# KiCad board FrontEnd_5G.kicad_pcb (continued)
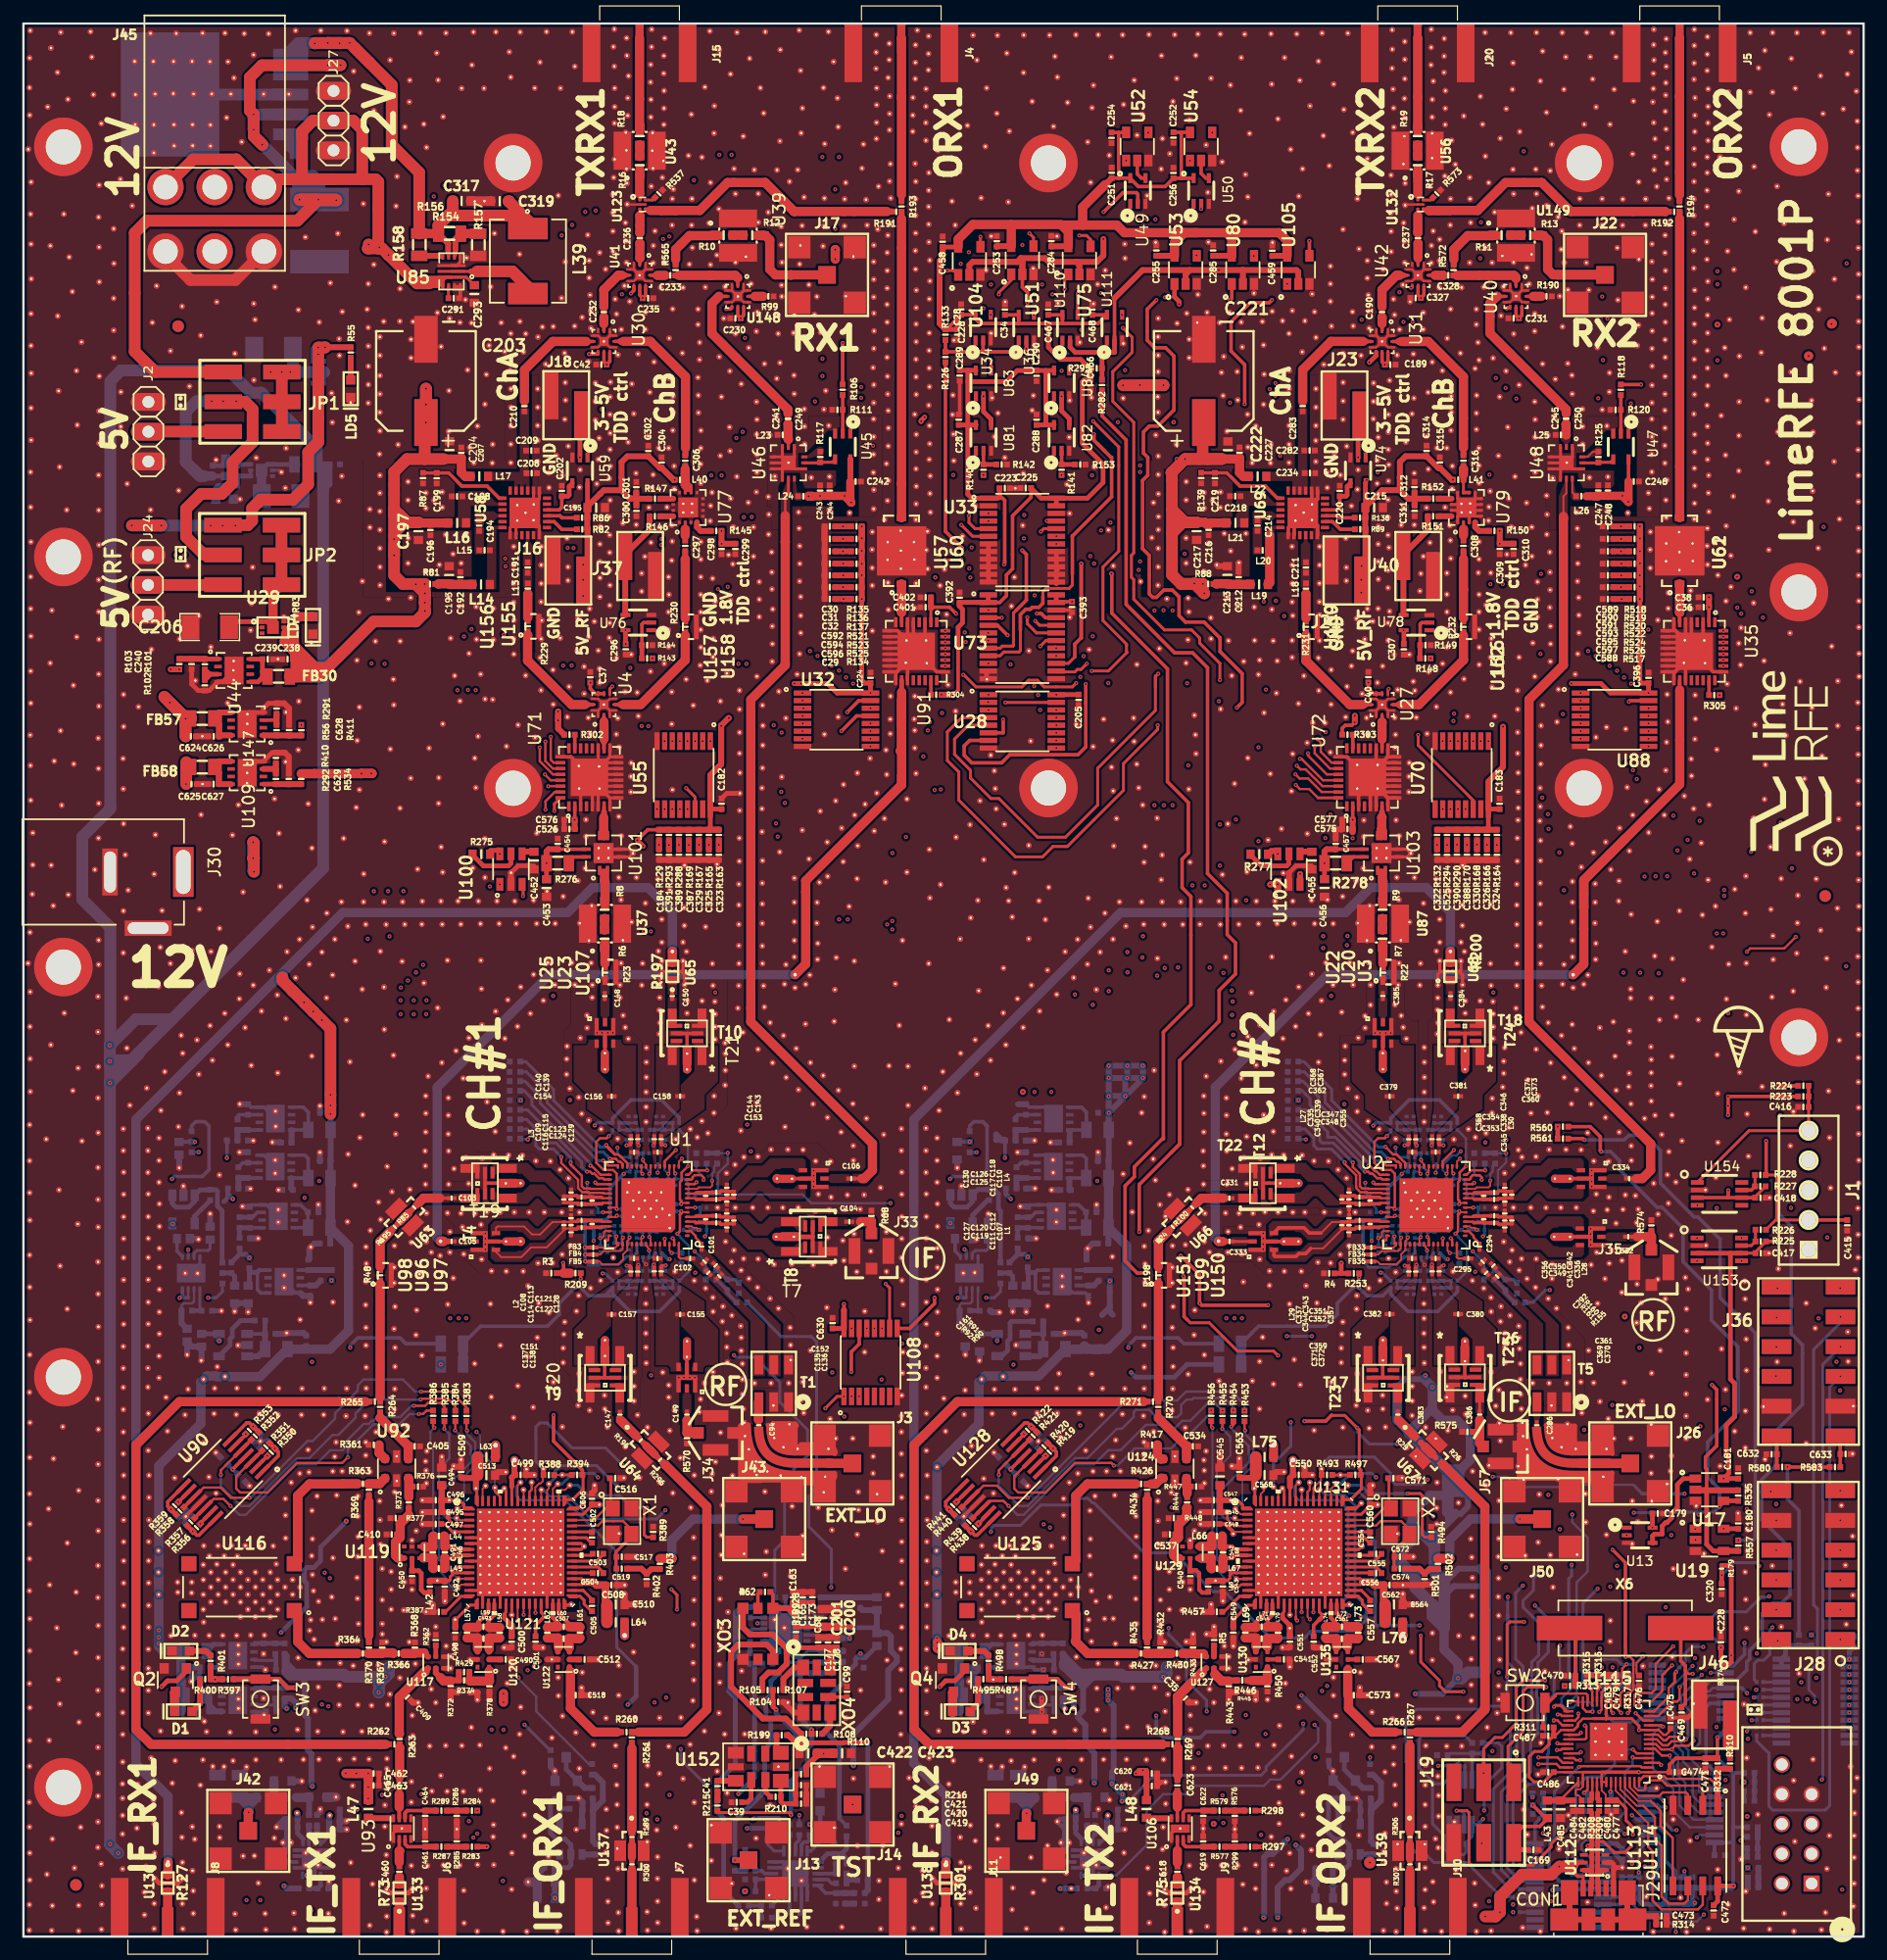
[diagram p0: board, top side]
## Placement (name value [footprint] x y rotation side) (continued)
GND_VIA#696  VAL**  [GND_VIA#3]  137.93 149.75 90 top
GND_VIA#697  VAL**  [GND_VIA#3]  70.12 145.98 90 top
GND_VIA#698  VAL**  [GND_VIA#3]  131.05 146.75 90 top
GND_VIA#699  VAL**  [GND_VIA#3]  129.2 148.73 90 top
GND_VIA#700  VAL**  [GND_VIA#3]  127.25 148.72 90 top
GND_VIA#701  VAL**  [GND_VIA#3]  125.62 147.16 90 top
GND_VIA#702  VAL**  [GND_VIA#3]  57.06 146.05 90 top
GND_VIA#703  VAL**  [GND_VIA#3]  55.39 146.05 90 top
GND_VIA#704  VAL**  [GND_VIA#3]  51.48 144.69 90 top
GND_VIA#705  VAL**  [GND_VIA#3]  50.34 143.8 90 top
GND_VIA#706  VAL**  [GND_VIA#3]  51.5 142.87 90 top
GND_VIA#707  VAL**  [GND_VIA#3]  51.41 146.25 90 top
GND_VIA#708  VAL**  [GND_VIA#3]  51.56 147.84 90 top
GND_VIA#709  VAL**  [GND_VIA#3]  51.53 149.63 90 top
GND_VIA#710  VAL**  [GND_VIA#3]  50.33 148.69 90 top
GND_VIA#711  VAL**  [GND_VIA#3]  50.33 147.12 90 top
GND_VIA#712  VAL**  [GND_VIA#3]  50.33 145.54 90 top
GND_VIA#713  VAL**  [GND_VIA#3]  57.94 151.85 90 top
GND_VIA#714  VAL**  [GND_VIA#3]  53.61 149.37 90 top
GND_VIA#715  VAL**  [GND_VIA#3]  60.8 142.88 90 top
GND_VIA#716  VAL**  [GND_VIA#3]  53.79 144.3 90 top
GND_VIA#717  VAL**  [GND_VIA#3]  53.78 142.82 90 top
GND_VIA#718  VAL**  [GND_VIA#3]  54.74 142.83 90 top
GND_VIA#719  VAL**  [GND_VIA#3]  56.87 142.72 90 top
GND_VIA#720  VAL**  [GND_VIA#3]  58.67 142.68 90 top
GND_VIA#721  VAL**  [GND_VIA#3]  53.93 145.55 90 top
GND_VIA#722  VAL**  [GND_VIA#3]  52.61 141.78 90 top
GND_VIA#723  VAL**  [GND_VIA#3]  56.33 140.72 90 top
GND_VIA#724  VAL**  [GND_VIA#3]  58.23 140.76 90 top
GND_VIA#725  VAL**  [GND_VIA#3]  59.91 140.81 90 top
GND_VIA#726  VAL**  [GND_VIA#3]  54.41 140.72 90 top
GND_VIA#727  VAL**  [GND_VIA#3]  61.01 139.97 90 top
GND_VIA#728  VAL**  [GND_VIA#3]  62.14 141.05 90 top
GND_VIA#729  VAL**  [GND_VIA#3]  51.77 139.54 90 top
GND_VIA#730  VAL**  [GND_VIA#3]  51.32 140.88 90 top
GND_VIA#731  VAL**  [GND_VIA#3]  62.67 138.63 90 top
GND_VIA#732  VAL**  [GND_VIA#3]  64.75 139.97 90 top
GND_VIA#733  VAL**  [GND_VIA#3]  59.8 138.09 90 top
GND_VIA#734  VAL**  [GND_VIA#3]  60.8 136.79 90 top
GND_VIA#735  VAL**  [GND_VIA#3]  62.59 136.99 90 top
GND_VIA#736  VAL**  [GND_VIA#3]  61.93 135.59 90 top
GND_VIA#737  VAL**  [GND_VIA#3]  49.71 142.29 90 top
GND_VIA#738  VAL**  [GND_VIA#3]  48.31 141.56 90 top
GND_VIA#739  VAL**  [GND_VIA#3]  48.39 140.1 90 top
GND_VIA#740  VAL**  [GND_VIA#3]  48.44 138.73 90 top
GND_VIA#741  VAL**  [GND_VIA#3]  48.45 137.25 90 top
GND_VIA#742  VAL**  [GND_VIA#3]  48.31 143.03 90 top
GND_VIA#743  VAL**  [GND_VIA#3]  50.53 139.74 90 top
GND_VIA#744  VAL**  [GND_VIA#3]  51.05 137.15 90 top
GND_VIA#745  VAL**  [GND_VIA#3]  49.56 136.13 90 top
GND_VIA#746  VAL**  [GND_VIA#3]  50.77 134.99 90 top
GND_VIA#747  VAL**  [GND_VIA#3]  48.25 134.42 90 top
GND_VIA#748  VAL**  [GND_VIA#3]  53.09 137.17 90 top
GND_VIA#749  VAL**  [GND_VIA#3]  55.14 136.41 90 top
GND_VIA#750  VAL**  [GND_VIA#3]  53.11 138.6 90 top
GND_VIA#751  VAL**  [GND_VIA#5]  50.65 138.41 90 top
GND_VIA#752  VAL**  [GND_VIA#3]  55.44 138.9 90 top
GND_VIA#753  VAL**  [GND_VIA#3]  57.75 136.05 90 top
GND_VIA#754  VAL**  [GND_VIA#3]  57.61 138.88 90 top
GND_VIA#755  VAL**  [GND_VIA#3]  57.61 137.57 90 top
GND_VIA#756  VAL**  [GND_VIA#3]  57.73 134.57 90 top
GND_VIA#757  VAL**  [GND_VIA#3]  57.6 133.05 90 top
GND_VIA#758  VAL**  [GND_VIA#3]  57.63 131.53 90 top
GND_VIA#759  VAL**  [GND_VIA#3]  57.64 130.05 90 top
GND_VIA#760  VAL**  [GND_VIA#3]  68.36 130.33 90 top
GND_VIA#761  VAL**  [GND_VIA#3]  68.77 128.95 90 top
GND_VIA#762  VAL**  [GND_VIA#3]  66.69 130.37 90 top
GND_VIA#763  VAL**  [GND_VIA#3]  66.69 128.88 90 top
GND_VIA#764  VAL**  [GND_VIA#3]  66.7 127.37 90 top
GND_VIA#765  VAL**  [GND_VIA#3]  67.28 124.5 90 top
GND_VIA#766  VAL**  [GND_VIA#3]  68.83 124.59 90 top
GND_VIA#767  VAL**  [GND_VIA#3]  68.81 121.72 90 top
GND_VIA#768  VAL**  [GND_VIA#3]  62.83 115.62 90 top
GND_VIA#769  VAL**  [GND_VIA#3]  62.83 114.12 90 top
GND_VIA#770  VAL**  [GND_VIA#3]  62.83 112.62 90 top
GND_VIA#771  VAL**  [GND_VIA#3]  62.64 124.97 90 top
GND_VIA#772  VAL**  [GND_VIA#3]  62.62 126.47 90 top
GND_VIA#773  VAL**  [GND_VIA#3]  62.61 128.2 90 top
GND_VIA#774  VAL**  [GND_VIA#3]  62.64 129.47 90 top
GND_VIA#775  VAL**  [GND_VIA#3]  63.89 118.15 90 top
GND_VIA#776  VAL**  [GND_VIA#3]  63.98 113.28 90 top
GND_VIA#777  VAL**  [GND_VIA#3]  63.92 114.99 90 top
GND_VIA#778  VAL**  [GND_VIA#3]  63.91 116.44 90 top
GND_VIA#779  VAL**  [GND_VIA#3]  63.94 111.83 90 top
GND_VIA#780  VAL**  [GND_VIA#3]  63.95 110.31 90 top
GND_VIA#781  VAL**  [GND_VIA#3]  63.94 108.81 90 top
GND_VIA#782  VAL**  [GND_VIA#3]  63.63 119.66 90 top
GND_VIA#783  VAL**  [GND_VIA#3]  64.16 124.61 90 top
GND_VIA#784  VAL**  [GND_VIA#3]  63.66 121.37 90 top
GND_VIA#785  VAL**  [GND_VIA#3]  63.61 122.88 90 top
GND_VIA#786  VAL**  [GND_VIA#3]  65.33 125.78 90 top
GND_VIA#787  VAL**  [GND_VIA#3]  66.23 120.18 90 top
GND_VIA#788  VAL**  [GND_VIA#3]  66.28 118.68 90 top
GND_VIA#789  VAL**  [GND_VIA#3]  66.3 117.17 90 top
GND_VIA#790  VAL**  [GND_VIA#3]  66.28 115.67 90 top
GND_VIA#791  VAL**  [GND_VIA#3]  66.38 111.25 90 top
GND_VIA#792  VAL**  [GND_VIA#3]  66.37 114.34 90 top
GND_VIA#793  VAL**  [GND_VIA#3]  66.28 109.47 90 top
GND_VIA#794  VAL**  [GND_VIA#3]  66.07 107.72 90 top
GND_VIA#795  VAL**  [GND_VIA#3]  62.63 107.54 90 top
GND_VIA#796  VAL**  [GND_VIA#3]  61.15 106.35 90 top
GND_VIA#797  VAL**  [GND_VIA#3]  66.19 121.56 90 top
GND_VIA#798  VAL**  [GND_VIA#3]  66.37 112.73 90 top
GND_VIA#799  VAL**  [GND_VIA#3]  60.39 122.73 90 top
GND_VIA#800  VAL**  [GND_VIA#3]  59.61 131.41 90 top
GND_VIA#801  VAL**  [GND_VIA#3]  59.5 126.38 90 top
GND_VIA#802  VAL**  [GND_VIA#3]  60.92 124.59 90 top
GND_VIA#803  VAL**  [GND_VIA#3]  60.3 128.81 90 top
GND_VIA#804  VAL**  [GND_VIA#3]  60.61 120.3 90 top
GND_VIA#805  VAL**  [GND_VIA#3]  58.8 123.24 90 top
GND_VIA#806  VAL**  [GND_VIA#3]  58.68 122.11 90 top
GND_VIA#807  VAL**  [GND_VIA#3]  58.65 120.81 90 top
GND_VIA#808  VAL**  [GND_VIA#3]  61.89 122.39 90 top
GND_VIA#809  VAL**  [GND_VIA#3]  64.33 132.96 90 top
GND_VIA#810  VAL**  [GND_VIA#3]  63.28 134.22 90 top
GND_VIA#811  VAL**  [GND_VIA#3]  65.82 131.66 90 top
GND_VIA#812  VAL**  [GND_VIA#3]  59.42 134.82 90 top
GND_VIA#813  VAL**  [GND_VIA#3]  60.32 133.6 90 top
GND_VIA#814  VAL**  [GND_VIA#3]  61.3 132.5 90 top
GND_VIA#815  VAL**  [GND_VIA#3]  62.6 130.98 90 top
GND_VIA#816  VAL**  [GND_VIA#3]  64.28 129.64 90 top
GND_VIA#817  VAL**  [GND_VIA#3]  63.73 128.14 90 top
GND_VIA#818  VAL**  [GND_VIA#3]  56.27 135.13 90 top
GND_VIA#819  VAL**  [GND_VIA#3]  49.16 127.88 270 top
GND_VIA#820  VAL**  [GND_VIA#3]  49.09 126.07 270 top
GND_VIA#821  VAL**  [GND_VIA#3]  48.96 123.98 270 top
GND_VIA#822  VAL**  [GND_VIA#3]  50.13 125.48 90 top
GND_VIA#823  VAL**  [GND_VIA#3]  50.09 126.91 90 top
GND_VIA#824  VAL**  [GND_VIA#3]  50.11 128.3 90 top
GND_VIA#825  VAL**  [GND_VIA#3]  50.09 129.9 90 top
GND_VIA#826  VAL**  [GND_VIA#3]  50.09 131.4 90 top
GND_VIA#827  VAL**  [GND_VIA#3]  50.13 132.66 90 top
GND_VIA#828  VAL**  [GND_VIA#3]  50.04 124.42 90 top
GND_VIA#829  VAL**  [GND_VIA#3]  48.84 129.42 270 top
GND_VIA#830  VAL**  [GND_VIA#3]  48.83 131.01 270 top
GND_VIA#831  VAL**  [GND_VIA#3]  48.84 132.58 270 top
GND_VIA#832  VAL**  [GND_VIA#3]  53.49 131.79 90 top
GND_VIA#833  VAL**  [GND_VIA#3]  52.48 135.07 90 top
GND_VIA#834  VAL**  [GND_VIA#3]  53.85 134.38 90 top
GND_VIA#835  VAL**  [GND_VIA#3]  52.12 129.96 90 top
GND_VIA#836  VAL**  [GND_VIA#3]  53.34 128.05 90 top
GND_VIA#837  VAL**  [GND_VIA#3]  51.95 132.5 90 top
GND_VIA#838  VAL**  [GND_VIA#3]  55.56 125.5 90 top
GND_VIA#839  VAL**  [GND_VIA#3]  55.13 133 90 top
GND_VIA#840  VAL**  [GND_VIA#3]  55.47 131.45 90 top
GND_VIA#841  VAL**  [GND_VIA#3]  55.45 128.54 90 top
GND_VIA#842  VAL**  [GND_VIA#3]  55.49 130.08 90 top
GND_VIA#843  VAL**  [GND_VIA#3]  52.05 92.46 90 top
GND_VIA#844  VAL**  [GND_VIA#3]  47.97 91.16 90 top
GND_VIA#845  VAL**  [GND_VIA#3]  48.03 93.88 90 top
GND_VIA#846  VAL**  [GND_VIA#3]  50.84 90.38 90 top
GND_VIA#847  VAL**  [GND_VIA#3]  51.06 93.93 90 top
GND_VIA#848  VAL**  [GND_VIA#3]  49.11 92.04 90 top
GND_VIA#849  VAL**  [GND_VIA#3]  49.95 92.05 90 top
GND_VIA#850  VAL**  [GND_VIA#3]  49.97 92.9 90 top
GND_VIA#851  VAL**  [GND_VIA#3]  49.12 92.89 90 top
GND_VIA#852  VAL**  [GND_VIA#3]  46.45 104.08 90 top
GND_VIA#853  VAL**  [GND_VIA#3]  48.23 104.02 90 top
GND_VIA#854  VAL**  [GND_VIA#3]  52.51 104.16 90 top
GND_VIA#855  VAL**  [GND_VIA#3]  50.75 103.97 90 top
GND_VIA#856  VAL**  [GND_VIA#3]  45.45 94.48 90 top
GND_VIA#857  VAL**  [GND_VIA#3]  50.87 101.51 90 top
GND_VIA#858  VAL**  [GND_VIA#3]  55.58 123.54 90 top
GND_VIA#859  VAL**  [GND_VIA#3]  53.41 121.96 90 top
GND_VIA#860  VAL**  [GND_VIA#3]  51.42 121.91 90 top
GND_VIA#861  VAL**  [GND_VIA#3]  49.19 107 90 top
GND_VIA#862  VAL**  [GND_VIA#3]  49.24 115.96 90 top
GND_VIA#863  VAL**  [GND_VIA#3]  49.22 114.34 90 top
GND_VIA#864  VAL**  [GND_VIA#3]  49.18 108.2 90 top
GND_VIA#865  VAL**  [GND_VIA#3]  49.09 109.75 90 top
GND_VIA#866  VAL**  [GND_VIA#3]  49.22 117.34 90 top
GND_VIA#867  VAL**  [GND_VIA#3]  49.22 118.84 90 top
GND_VIA#868  VAL**  [GND_VIA#3]  50.06 119.61 90 top
GND_VIA#869  VAL**  [GND_VIA#3]  50.06 118.12 90 top
GND_VIA#870  VAL**  [GND_VIA#3]  50.08 116.61 90 top
GND_VIA#871  VAL**  [GND_VIA#3]  50.09 115.32 90 top
GND_VIA#872  VAL**  [GND_VIA#3]  50.06 113.61 90 top
GND_VIA#873  VAL**  [GND_VIA#3]  50.06 112.11 90 top
GND_VIA#874  VAL**  [GND_VIA#3]  50.03 110.84 90 top
GND_VIA#875  VAL**  [GND_VIA#3]  50.64 109.11 90 top
GND_VIA#876  VAL**  [GND_VIA#3]  55.09 110.06 90 top
GND_VIA#877  VAL**  [GND_VIA#3]  55.06 111.51 90 top
GND_VIA#878  VAL**  [GND_VIA#3]  55.08 113.04 90 top
GND_VIA#879  VAL**  [GND_VIA#3]  55.12 114.53 90 top
GND_VIA#880  VAL**  [GND_VIA#3]  52.79 114.8 90 top
GND_VIA#881  VAL**  [GND_VIA#3]  52.79 116.34 90 top
GND_VIA#882  VAL**  [GND_VIA#3]  51.9 109.42 90 top
GND_VIA#883  VAL**  [GND_VIA#3]  58.85 115.9 90 top
GND_VIA#884  VAL**  [GND_VIA#3]  58.89 109.2 90 top
GND_VIA#885  VAL**  [GND_VIA#3]  58.89 110.77 90 top
GND_VIA#886  VAL**  [GND_VIA#3]  59.08 113.92 90 top
GND_VIA#887  VAL**  [GND_VIA#3]  57.79 108.49 90 top
GND_VIA#888  VAL**  [GND_VIA#3]  57.84 110.03 90 top
GND_VIA#889  VAL**  [GND_VIA#3]  57.83 111.53 90 top
GND_VIA#890  VAL**  [GND_VIA#3]  57.83 113.03 90 top
GND_VIA#891  VAL**  [GND_VIA#3]  57.83 114.53 90 top
GND_VIA#892  VAL**  [GND_VIA#3]  54.72 108.63 90 top
GND_VIA#893  VAL**  [GND_VIA#3]  53.55 107.97 90 top
GND_VIA#894  VAL**  [GND_VIA#3]  52.41 106.17 90 top
GND_VIA#895  VAL**  [GND_VIA#3]  54.16 104.94 90 top
GND_VIA#896  VAL**  [GND_VIA#3]  56.59 107.29 90 top
GND_VIA#897  VAL**  [GND_VIA#3]  55.36 106.22 90 top
GND_VIA#898  VAL**  [GND_VIA#3]  51.38 106.24 90 top
GND_VIA#899  VAL**  [GND_VIA#3]  44.13 109.13 90 top
GND_VIA#900  VAL**  [GND_VIA#3]  47.88 106.07 90 top
GND_VIA#901  VAL**  [GND_VIA#3]  42.88 107.62 90 top
GND_VIA#902  VAL**  [GND_VIA#3]  44.2 106.36 90 top
GND_VIA#903  VAL**  [GND_VIA#3]  45.24 105.15 90 top
GND_VIA#904  VAL**  [GND_VIA#3]  45.84 110.81 90 top
GND_VIA#905  VAL**  [GND_VIA#3]  46.59 106.67 90 top
GND_VIA#906  VAL**  [GND_VIA#3]  45.22 108.1 90 top
GND_VIA#907  VAL**  [GND_VIA#3]  36.69 117.99 90 top
GND_VIA#908  VAL**  [GND_VIA#3]  34.73 118.89 90 top
GND_VIA#909  VAL**  [GND_VIA#3]  35.52 117.07 90 top
GND_VIA#910  VAL**  [GND_VIA#3]  37.38 117.2 90 top
GND_VIA#911  VAL**  [GND_VIA#3]  34.34 116.5 90 top
GND_VIA#912  VAL**  [GND_VIA#3]  44.21 110.75 90 top
GND_VIA#913  VAL**  [GND_VIA#3]  44.26 112.32 90 top
GND_VIA#914  VAL**  [GND_VIA#3]  44.2 113.91 90 top
GND_VIA#915  VAL**  [GND_VIA#3]  41.88 109.44 90 top
GND_VIA#916  VAL**  [GND_VIA#3]  46.5 115.73 90 top
GND_VIA#917  VAL**  [GND_VIA#3]  46.5 116.88 90 top
GND_VIA#918  VAL**  [GND_VIA#3]  41.88 112.34 90 top
GND_VIA#919  VAL**  [GND_VIA#3]  41.86 110.75 90 top
GND_VIA#920  VAL**  [GND_VIA#3]  41.86 113.86 90 top
GND_VIA#921  VAL**  [GND_VIA#3]  46.42 119.34 90 top
GND_VIA#922  VAL**  [GND_VIA#3]  44.99 112.55 90 top
GND_VIA#923  VAL**  [GND_VIA#3]  29.58 121.81 90 top
GND_VIA#924  VAL**  [GND_VIA#3]  29.59 120.26 90 top
GND_VIA#925  VAL**  [GND_VIA#3]  45.5 126.38 90 top
GND_VIA#926  VAL**  [GND_VIA#3]  46.53 127.19 90 top
GND_VIA#927  VAL**  [GND_VIA#3]  46.23 129.48 90 top
GND_VIA#928  VAL**  [GND_VIA#3]  43.94 136.51 270 top
GND_VIA#929  VAL**  [GND_VIA#3]  47.07 137.44 270 top
GND_VIA#930  VAL**  [GND_VIA#3]  46.29 131.12 270 top
GND_VIA#931  VAL**  [GND_VIA#3]  45.24 137.4 90 top
GND_VIA#932  VAL**  [GND_VIA#3]  46.21 135.14 90 top
GND_VIA#933  VAL**  [GND_VIA#3]  46.27 132.62 90 top
GND_VIA#934  VAL**  [GND_VIA#3]  44.59 134.19 90 top
GND_VIA#935  VAL**  [GND_VIA#3]  41.56 133.66 90 top
GND_VIA#936  VAL**  [GND_VIA#3]  42.7 135.23 270 top
GND_VIA#937  VAL**  [GND_VIA#3]  43.58 122.22 90 top
GND_VIA#938  VAL**  [GND_VIA#3]  31.17 114.16 90 top
GND_VIA#939  VAL**  [GND_VIA#3]  33.07 114.26 90 top
GND_VIA#940  VAL**  [GND_VIA#3]  40.13 113.34 90 top
GND_VIA#941  VAL**  [GND_VIA#3]  38.69 110.7 90 top
GND_VIA#942  VAL**  [GND_VIA#3]  38.66 113.49 90 top
GND_VIA#943  VAL**  [GND_VIA#3]  36.3 114.32 90 top
GND_VIA#944  VAL**  [GND_VIA#3]  37.25 113.54 90 top
GND_VIA#945  VAL**  [GND_VIA#3]  36.48 110.8 90 top
GND_VIA#946  VAL**  [GND_VIA#3]  40.13 110.66 90 top
GND_VIA#947  VAL**  [GND_VIA#3]  42.39 137.84 90 top
GND_VIA#948  VAL**  [GND_VIA#3]  37.28 137.75 90 top
GND_VIA#949  VAL**  [GND_VIA#3]  38.27 137.71 90 top
GND_VIA#950  VAL**  [GND_VIA#3]  40.8 137.73 90 top
GND_VIA#951  VAL**  [GND_VIA#3]  36.39 138.07 90 top
GND_VIA#952  VAL**  [GND_VIA#3]  32.14 137.85 90 top
GND_VIA#953  VAL**  [GND_VIA#3]  25.26 137.77 90 top
GND_VIA#954  VAL**  [GND_VIA#3]  35.35 138.58 90 top
GND_VIA#955  VAL**  [GND_VIA#3]  49.21 143.7 90 top
GND_VIA#956  VAL**  [GND_VIA#3]  44.31 137.37 90 top
GND_VIA#957  VAL**  [GND_VIA#3]  30.44 133.22 90 top
GND_VIA#958  VAL**  [GND_VIA#3]  30.44 128.5 90 top
GND_VIA#959  VAL**  [GND_VIA#3]  30.44 130.08 90 top
GND_VIA#960  VAL**  [GND_VIA#3]  30.44 131.65 90 top
GND_VIA#961  VAL**  [GND_VIA#3]  30.44 136.52 90 top
GND_VIA#962  VAL**  [GND_VIA#3]  30.44 134.94 90 top
GND_VIA#963  VAL**  [GND_VIA#3]  32 127.33 90 top
GND_VIA#964  VAL**  [GND_VIA#3]  33.09 136.31 90 top
GND_VIA#965  VAL**  [GND_VIA#3]  33.09 134.73 90 top
GND_VIA#966  VAL**  [GND_VIA#3]  33.27 137.82 90 top
GND_VIA#967  VAL**  [GND_VIA#3]  38.77 128.91 90 top
GND_VIA#968  VAL**  [GND_VIA#3]  38.46 125.77 90 top
GND_VIA#969  VAL**  [GND_VIA#3]  40.03 125.75 90 top
GND_VIA#970  VAL**  [GND_VIA#3]  40.07 127.35 90 top
GND_VIA#971  VAL**  [GND_VIA#3]  38.11 127.08 90 top
GND_VIA#972  VAL**  [GND_VIA#3]  47.34 112.48 90 top
GND_VIA#973  VAL**  [GND_VIA#3]  48.35 113.31 90 top
GND_VIA#974  VAL**  [GND_VIA#3]  48.75 112.23 90 top
GND_VIA#975  VAL**  [GND_VIA#3]  48.28 110.91 90 top
GND_VIA#976  VAL**  [GND_VIA#3]  47.88 108.38 90 top
GND_VIA#977  VAL**  [GND_VIA#3]  39.77 135.79 90 top
GND_VIA#978  VAL**  [GND_VIA#3]  41.62 136.81 90 top
GND_VIA#979  VAL**  [GND_VIA#3]  61.15 104.73 90 top
GND_VIA#980  VAL**  [GND_VIA#3]  72.85 154.81 90 top
GND_VIA#981  VAL**  [GND_VIA#3]  72.86 156.31 90 top
GND_VIA#982  VAL**  [GND_VIA#3]  72.83 153.43 90 top
GND_VIA#983  VAL**  [GND_VIA#3]  73.95 154.18 90 top
GND_VIA#984  VAL**  [GND_VIA#3]  73.98 157.06 90 top
GND_VIA#985  VAL**  [GND_VIA#3]  73.96 155.56 90 top
GND_VIA#986  VAL**  [GND_VIA#3]  77.07 156.19 90 top
GND_VIA#987  VAL**  [GND_VIA#3]  77.08 157.69 90 top
GND_VIA#988  VAL**  [GND_VIA#3]  77.07 153.29 90 top
GND_VIA#989  VAL**  [GND_VIA#3]  77.05 154.8 90 top
GND_VIA#990  VAL**  [GND_VIA#3]  75.93 154.05 90 top
GND_VIA#991  VAL**  [GND_VIA#3]  75.95 156.94 90 top
GND_VIA#992  VAL**  [GND_VIA#3]  75.95 155.44 90 top
GND_VIA#993  VAL**  [GND_VIA#3]  72.86 157.75 90 top
GND_VIA#994  VAL**  [GND_VIA#3]  50.48 156.16 90 top
GND_VIA#995  VAL**  [GND_VIA#3]  58.19 157.84 90 top
GND_VIA#996  VAL**  [GND_VIA#6]  46.44 153.96 90 top
GND_VIA#997  VAL**  [GND_VIA#6]  46.49 152.44 90 top
GND_VIA#998  VAL**  [GND_VIA#6]  46.61 156.91 90 top
GND_VIA#999  VAL**  [GND_VIA#6]  46.59 155.41 90 top
GND_VIA#1000  VAL**  [GND_VIA#6]  46.49 150.87 90 top
GND_VIA#1001  VAL**  [GND_VIA#3]  50.41 150.12 90 top
GND_VIA#1002  VAL**  [GND_VIA#3]  50.48 151.68 90 top
GND_VIA#1003  VAL**  [GND_VIA#3]  54.69 156.03 90 top
GND_VIA#1004  VAL**  [GND_VIA#3]  54.7 157.53 90 top
GND_VIA#1005  VAL**  [GND_VIA#6]  49.56 150.12 90 top
GND_VIA#1006  VAL**  [GND_VIA#6]  49.64 151.54 90 top
GND_VIA#1007  VAL**  [GND_VIA#6]  51.79 151.99 90 top
GND_VIA#1008  VAL**  [GND_VIA#3]  54.69 154.63 90 top
GND_VIA#1009  VAL**  [GND_VIA#3]  53.72 153.93 90 top
GND_VIA#1010  VAL**  [GND_VIA#6]  48.76 150.91 90 top
GND_VIA#1011  VAL**  [GND_VIA#3]  53.58 156.78 90 top
GND_VIA#1012  VAL**  [GND_VIA#3]  53.58 155.28 90 top
GND_VIA#1013  VAL**  [GND_VIA#6]  76.78 148.38 90 top
GND_VIA#1014  VAL**  [GND_VIA#6]  74.57 146.06 90 top
GND_VIA#1015  VAL**  [GND_VIA#3]  66.36 159.25 90 top
GND_VIA#1016  VAL**  [GND_VIA#3]  29.45 135.74 90 top
GND_VIA#1017  VAL**  [GND_VIA#3]  29.44 137.31 90 top
GND_VIA#1018  VAL**  [GND_VIA#3]  29.35 138.87 90 top
GND_VIA#1019  VAL**  [GND_VIA#3]  29.45 132.45 90 top
GND_VIA#1020  VAL**  [GND_VIA#3]  29.44 130.88 90 top
GND_VIA#1021  VAL**  [GND_VIA#3]  29.45 134.02 90 top
GND_VIA#1022  VAL**  [GND_VIA#3]  23.48 138.82 90 top
GND_VIA#1023  VAL**  [GND_VIA#3]  29.45 141.05 90 top
GND_VIA#1024  VAL**  [GND_VIA#3]  36.93 138.91 90 top
GND_VIA#1025  VAL**  [GND_VIA#3]  27.23 138.67 90 top
GND_VIA#1026  VAL**  [GND_VIA#3]  42.89 136.78 90 top
GND_VIA#1027  VAL**  [GND_VIA#3]  41.1 135.27 90 top
GND_VIA#1028  VAL**  [GND_VIA#3]  47.71 138.19 90 top
GND_VIA#1029  VAL**  [GND_VIA#3]  30.76 137.83 90 top
GND_VIA#1030  VAL**  [GND_VIA#3]  39.04 107.73 90 top
GND_VIA#1031  VAL**  [GND_VIA#3]  39.42 105.61 90 top
GND_VIA#1032  VAL**  [GND_VIA#3]  47.36 90.1 90 top
GND_VIA#1033  VAL**  [GND_VIA#3]  38.37 91.19 90 top
GND_VIA#1034  VAL**  [GND_VIA#3]  39.41 90.38 90 top
GND_VIA#1035  VAL**  [GND_VIA#3]  41.96 88.36 90 top
GND_VIA#1036  VAL**  [GND_VIA#3]  40.07 105.56 90 top
GND_VIA#1037  VAL**  [GND_VIA#3]  38.05 109.5 90 top
GND_VIA#1038  VAL**  [GND_VIA#3]  47.29 109.71 90 top
GND_VIA#1039  VAL**  [GND_VIA#3]  139.47 149.35 90 top
GND_VIA#1040  VAL**  [GND_VIA#3]  139.29 151.9 90 top
GND_VIA#1041  VAL**  [GND_VIA#3]  139.25 150.77 90 top
GND_VIA#1042  VAL**  [GND_VIA#3]  46.09 88.76 90 top
GND_VIA#1043  VAL**  [GND_VIA#3]  36.82 107.6 90 top
GND_VIA#1044  VAL**  [GND_VIA#3]  28.94 115.66 90 top
GND_VIA#1045  VAL**  [GND_VIA#3]  51.9 100.17 90 top
GND_VIA#1046  VAL**  [GND_VIA#3]  99.34 138.53 90 top
GND_VIA#1047  VAL**  [GND_VIA#3]  57.2 105.07 90 top
GND_VIA#1048  VAL**  [GND_VIA#3]  60.37 114.03 90 top
GND_VIA#1049  VAL**  [GND_VIA#3]  64.5 106.26 90 top
GND_VIA#1050  VAL**  [GND_VIA#3]  51.87 97.68 90 top
GND_VIA#1051  VAL**  [GND_VIA#3]  96.9 116.89 90 top
GND_VIA#1052  VAL**  [GND_VIA#3]  73.82 115.54 90 top
GND_VIA#1053  VAL**  [GND_VIA#3]  65.82 138.42 90 top
GND_VIA#1054  VAL**  [GND_VIA#3]  65.76 136.86 90 top
GND_VIA#1055  VAL**  [GND_VIA#3]  67.75 139.96 90 top
GND_VIA#1056  VAL**  [GND_VIA#3]  66.35 144.32 90 top
GND_VIA#1057  VAL**  [GND_VIA#3]  64.71 144.37 90 top
GND_VIA#1058  VAL**  [GND_VIA#3]  68.28 144.26 90 top
GND_VIA#1059  VAL**  [GND_VIA#3]  67.55 138.42 90 top
GND_VIA#1060  VAL**  [GND_VIA#3]  68.08 136.91 90 top
GND_VIA#1061  VAL**  [GND_VIA#3]  64.44 138.35 90 top
GND_VIA#1062  VAL**  [GND_VIA#3]  64.45 136.79 90 top
GND_VIA#1063  VAL**  [GND_VIA#3]  70.23 139.99 90 top
GND_VIA#1064  VAL**  [GND_VIA#3]  65.8 133.24 90 top
GND_VIA#1065  VAL**  [GND_VIA#3]  117.02 154.41 90 top
GND_VIA#1066  VAL**  [GND_VIA#3]  64.6 134.31 90 top
GND_VIA#1067  VAL**  [GND_VIA#3]  48.58 81.21 90 top
GND_VIA#1068  VAL**  [GND_VIA#3]  51.87 99 90 top
GND_VIA#1069  VAL**  [GND_VIA#3]  59.52 105.43 90 top
GND_VIA#1070  VAL**  [GND_VIA#3]  58.4 107.19 90 top
GND_VIA#1071  VAL**  [GND_VIA#3]  95.08 108.56 90 top
GND_VIA#1072  VAL**  [GND_VIA#3]  108.87 105.23 90 top
GND_VIA#1073  VAL**  [GND_VIA#3]  106.99 106.12 90 top
GND_VIA#1074  VAL**  [GND_VIA#3]  120.93 144.84 90 top
GND_VIA#1075  VAL**  [GND_VIA#3]  124.86 144.15 90 top
GND_VIA#1076  VAL**  [GND_VIA#3]  126.28 143.43 90 top
GND_VIA#1077  VAL**  [GND_VIA#3]  73.02 149.36 90 top
GND_VIA#1078  VAL**  [GND_VIA#3]  59.39 147.44 90 top
GND_VIA#1079  VAL**  [GND_VIA#3]  60.8 148.73 90 top
GND_VIA#1080  VAL**  [GND_VIA#3]  62.75 148.74 90 top
GND_VIA#1081  VAL**  [GND_VIA#3]  63.6 147.15 90 top
GND_VIA#1082  VAL**  [GND_VIA#3]  70.22 149.68 90 top
GND_VIA#1083  VAL**  [GND_VIA#3]  68.4 148.35 90 top
GND_VIA#1084  VAL**  [GND_VIA#3]  70.12 148.28 90 top
GND_VIA#1085  VAL**  [GND_VIA#3]  58.67 149.69 90 top
GND_VIA#1086  VAL**  [GND_VIA#3]  57.08 148.3 90 top
GND_VIA#1087  VAL**  [GND_VIA#3]  55.5 149.12 90 top
GND_VIA#1088  VAL**  [GND_VIA#3]  57.08 148.31 90 top
GND_VIA#1089  VAL**  [GND_VIA#3]  71.95 148.23 90 top
GND_VIA#1090  VAL**  [GND_VIA#3]  66.66 148.44 90 top
GND_VIA#1091  VAL**  [GND_VIA#3]  73.96 149.8 90 top
GND_VIA#1092  VAL**  [GND_VIA#3]  59.21 143.5 90 top
GND_VIA#1093  VAL**  [GND_VIA#3]  57.12 144.13 90 top
GND_VIA#1094  VAL**  [GND_VIA#3]  58.54 146.23 90 top
GND_VIA#1095  VAL**  [GND_VIA#3]  66.12 150.78 90 top
GND_VIA#1096  VAL**  [GND_VIA#3]  65.42 149.77 90 top
GND_VIA#1097  VAL**  [GND_VIA#3]  64.35 150.76 90 top
GND_VIA#1098  VAL**  [GND_VIA#3]  62.41 150.78 90 top
GND_VIA#1099  VAL**  [GND_VIA#3]  60.68 150.87 90 top
GND_VIA#1100  VAL**  [GND_VIA#3]  66.49 146.01 90 top
GND_VIA#1101  VAL**  [GND_VIA#3]  64.71 145.93 90 top
GND_VIA#1102  VAL**  [GND_VIA#3]  68.38 145.97 90 top
GND_VIA#1103  VAL**  [GND_VIA#3]  62.75 146.29 90 top
GND_VIA#1104  VAL**  [GND_VIA#3]  131.88 140.53 90 top
GND_VIA#1105  VAL**  [GND_VIA#3]  128.39 142.42 90 top
GND_VIA#1106  VAL**  [GND_VIA#3]  133.67 140.52 90 top
GND_VIA#1107  VAL**  [GND_VIA#3]  133.46 142.85 90 top
GND_VIA#1108  VAL**  [GND_VIA#3]  131.57 142.86 90 top
GND_VIA#1109  VAL**  [GND_VIA#3]  131.31 143.98 90 top
GND_VIA#1110  VAL**  [GND_VIA#3]  67.07 140.97 90 top
GND_VIA#1111  VAL**  [GND_VIA#3]  64.74 140.93 90 top
GND_VIA#1112  VAL**  [GND_VIA#3]  64.77 142.88 90 top
GND_VIA#1113  VAL**  [GND_VIA#3]  66.28 142.73 90 top
GND_VIA#1114  VAL**  [GND_VIA#3]  61.69 143.36 90 top
GND_VIA#1115  VAL**  [GND_VIA#3]  128.78 143.56 90 top
GND_VIA#1116  VAL**  [GND_VIA#3]  128.84 147.49 90 top
GND_VIA#1117  VAL**  [GND_VIA#3]  112.68 145.69 90 top
GND_VIA#1118  VAL**  [GND_VIA#3]  113.49 138.66 90 top
GND_VIA#1119  VAL**  [GND_VIA#3]  123.5 150.13 90 top
GND_VIA#1120  VAL**  [GND_VIA#3]  116.95 157.66 90 top
GND_VIA#1121  VAL**  [GND_VIA#3]  135.18 103.21 90 top
GND_VIA#1122  VAL**  [GND_VIA#3]  136.94 98.08 90 top
GND_VIA#1123  VAL**  [GND_VIA#3]  136.82 103.06 90 top
GND_VIA#1124  VAL**  [GND_VIA#3]  130.95 103.66 90 top
GND_VIA#1125  VAL**  [GND_VIA#3]  126.68 117.96 90 top
GND_VIA#1126  VAL**  [GND_VIA#3]  142.41 100.5 90 top
GND_VIA#1127  VAL**  [GND_VIA#3]  138.93 119.88 90 top
GND_VIA#1128  VAL**  [GND_VIA#3]  138.91 118.36 90 top
GND_VIA#1129  VAL**  [GND_VIA#3]  142.44 99.06 90 top
GND_VIA#1130  VAL**  [GND_VIA#3]  139.56 112.35 90 top
GND_VIA#1131  VAL**  [GND_VIA#3]  118.34 109.41 90 top
GND_VIA#1132  VAL**  [GND_VIA#3]  138.84 121.87 90 top
GND_VIA#1133  VAL**  [GND_VIA#3]  137 121.5 90 top
GND_VIA#1134  VAL**  [GND_VIA#3]  138.92 116.79 90 top
GND_VIA#1135  VAL**  [GND_VIA#3]  62.93 157.77 90 top
GND_VIA#1136  VAL**  [GND_VIA#3]  69.57 154.44 90 top
GND_VIA#1137  VAL**  [GND_VIA#3]  69.51 156.9 90 top
GND_VIA#1138  VAL**  [GND_VIA#3]  32.58 154.44 90 top
GND_VIA#1139  VAL**  [GND_VIA#3]  61.47 153.64 90 top
GND_VIA#1140  VAL**  [GND_VIA#3]  64.6 153.23 90 top
GND_VIA#1141  VAL**  [GND_VIA#3]  68.42 152.99 90 top
GND_VIA#1142  VAL**  [GND_VIA#3]  63.21 155.61 90 top
GND_VIA#1143  VAL**  [GND_VIA#3]  66.52 156.04 90 top
GND_VIA#1144  VAL**  [GND_VIA#3]  68.32 157.78 90 top
GND_VIA#1145  VAL**  [GND_VIA#3]  71.61 150.91 90 top
GND_VIA#1146  VAL**  [GND_VIA#3]  66.41 153.92 90 top
GND_VIA#1147  VAL**  [GND_VIA#3]  59 156.23 90 top
GND_VIA#1148  VAL**  [GND_VIA#3]  58.97 153.9 90 top
GND_VIA#1149  VAL**  [GND_VIA#3]  144.97 129.8 90 top
GND_VIA#1150  VAL**  [GND_VIA#3]  146.5 130.99 90 top
GND_VIA#1151  VAL**  [GND_VIA#3]  146.48 125.09 90 top
GND_VIA#1152  VAL**  [GND_VIA#3]  145.34 126.43 90 top
GND_VIA#1153  VAL**  [GND_VIA#3]  146.49 128.09 90 top
GND_VIA#1154  VAL**  [GND_VIA#3]  145.48 106.9 90 top
GND_VIA#1155  VAL**  [GND_VIA#3]  142.75 105.95 90 top
GND_VIA#1156  VAL**  [GND_VIA#3]  146.62 108.53 90 top
GND_VIA#1157  VAL**  [GND_VIA#3]  145.38 113.97 90 top
GND_VIA#1158  VAL**  [GND_VIA#3]  146.67 111.7 90 top
GND_VIA#1159  VAL**  [GND_VIA#3]  146.47 110.36 90 top
GND_VIA#1160  VAL**  [GND_VIA#3]  140.31 101.93 90 top
GND_VIA#1161  VAL**  [GND_VIA#3]  140.36 106.01 90 top
GND_VIA#1162  VAL**  [GND_VIA#3]  147.08 90.5 90 top
GND_VIA#1163  VAL**  [GND_VIA#3]  140.24 99.53 90 top
GND_VIA#1164  VAL**  [GND_VIA#3]  147.05 87.34 90 top
